# EAGLE board working (EAGLE 9.5.2), part 1 of 4
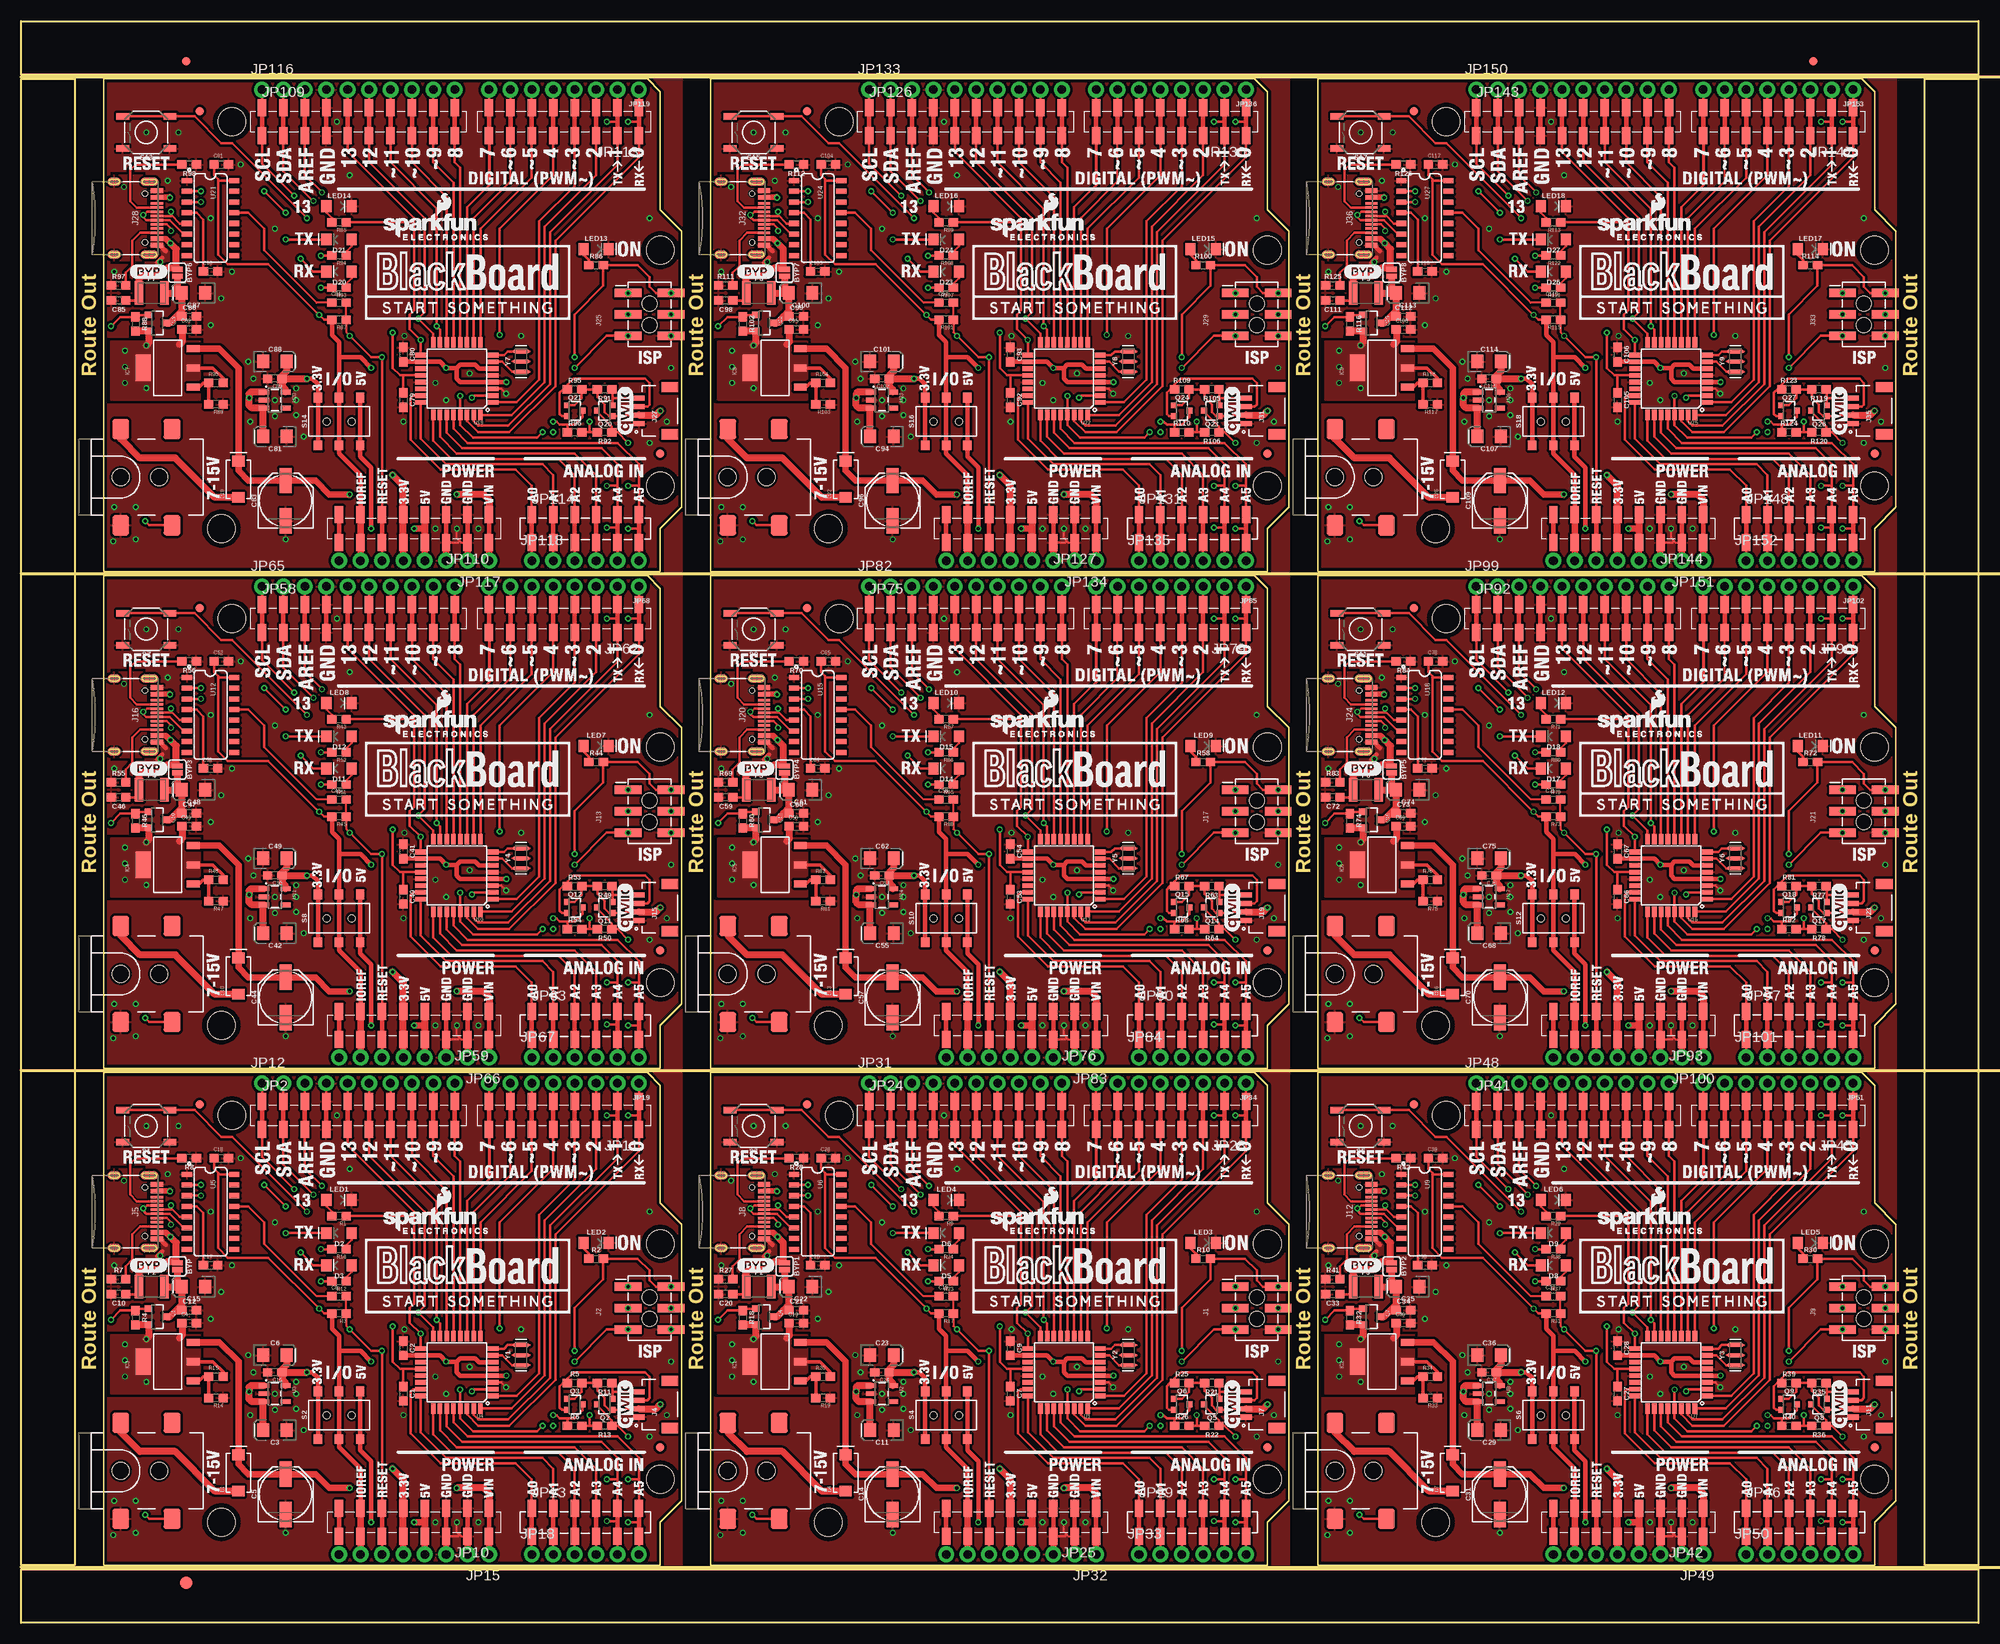
[diagram p0: board, top side]
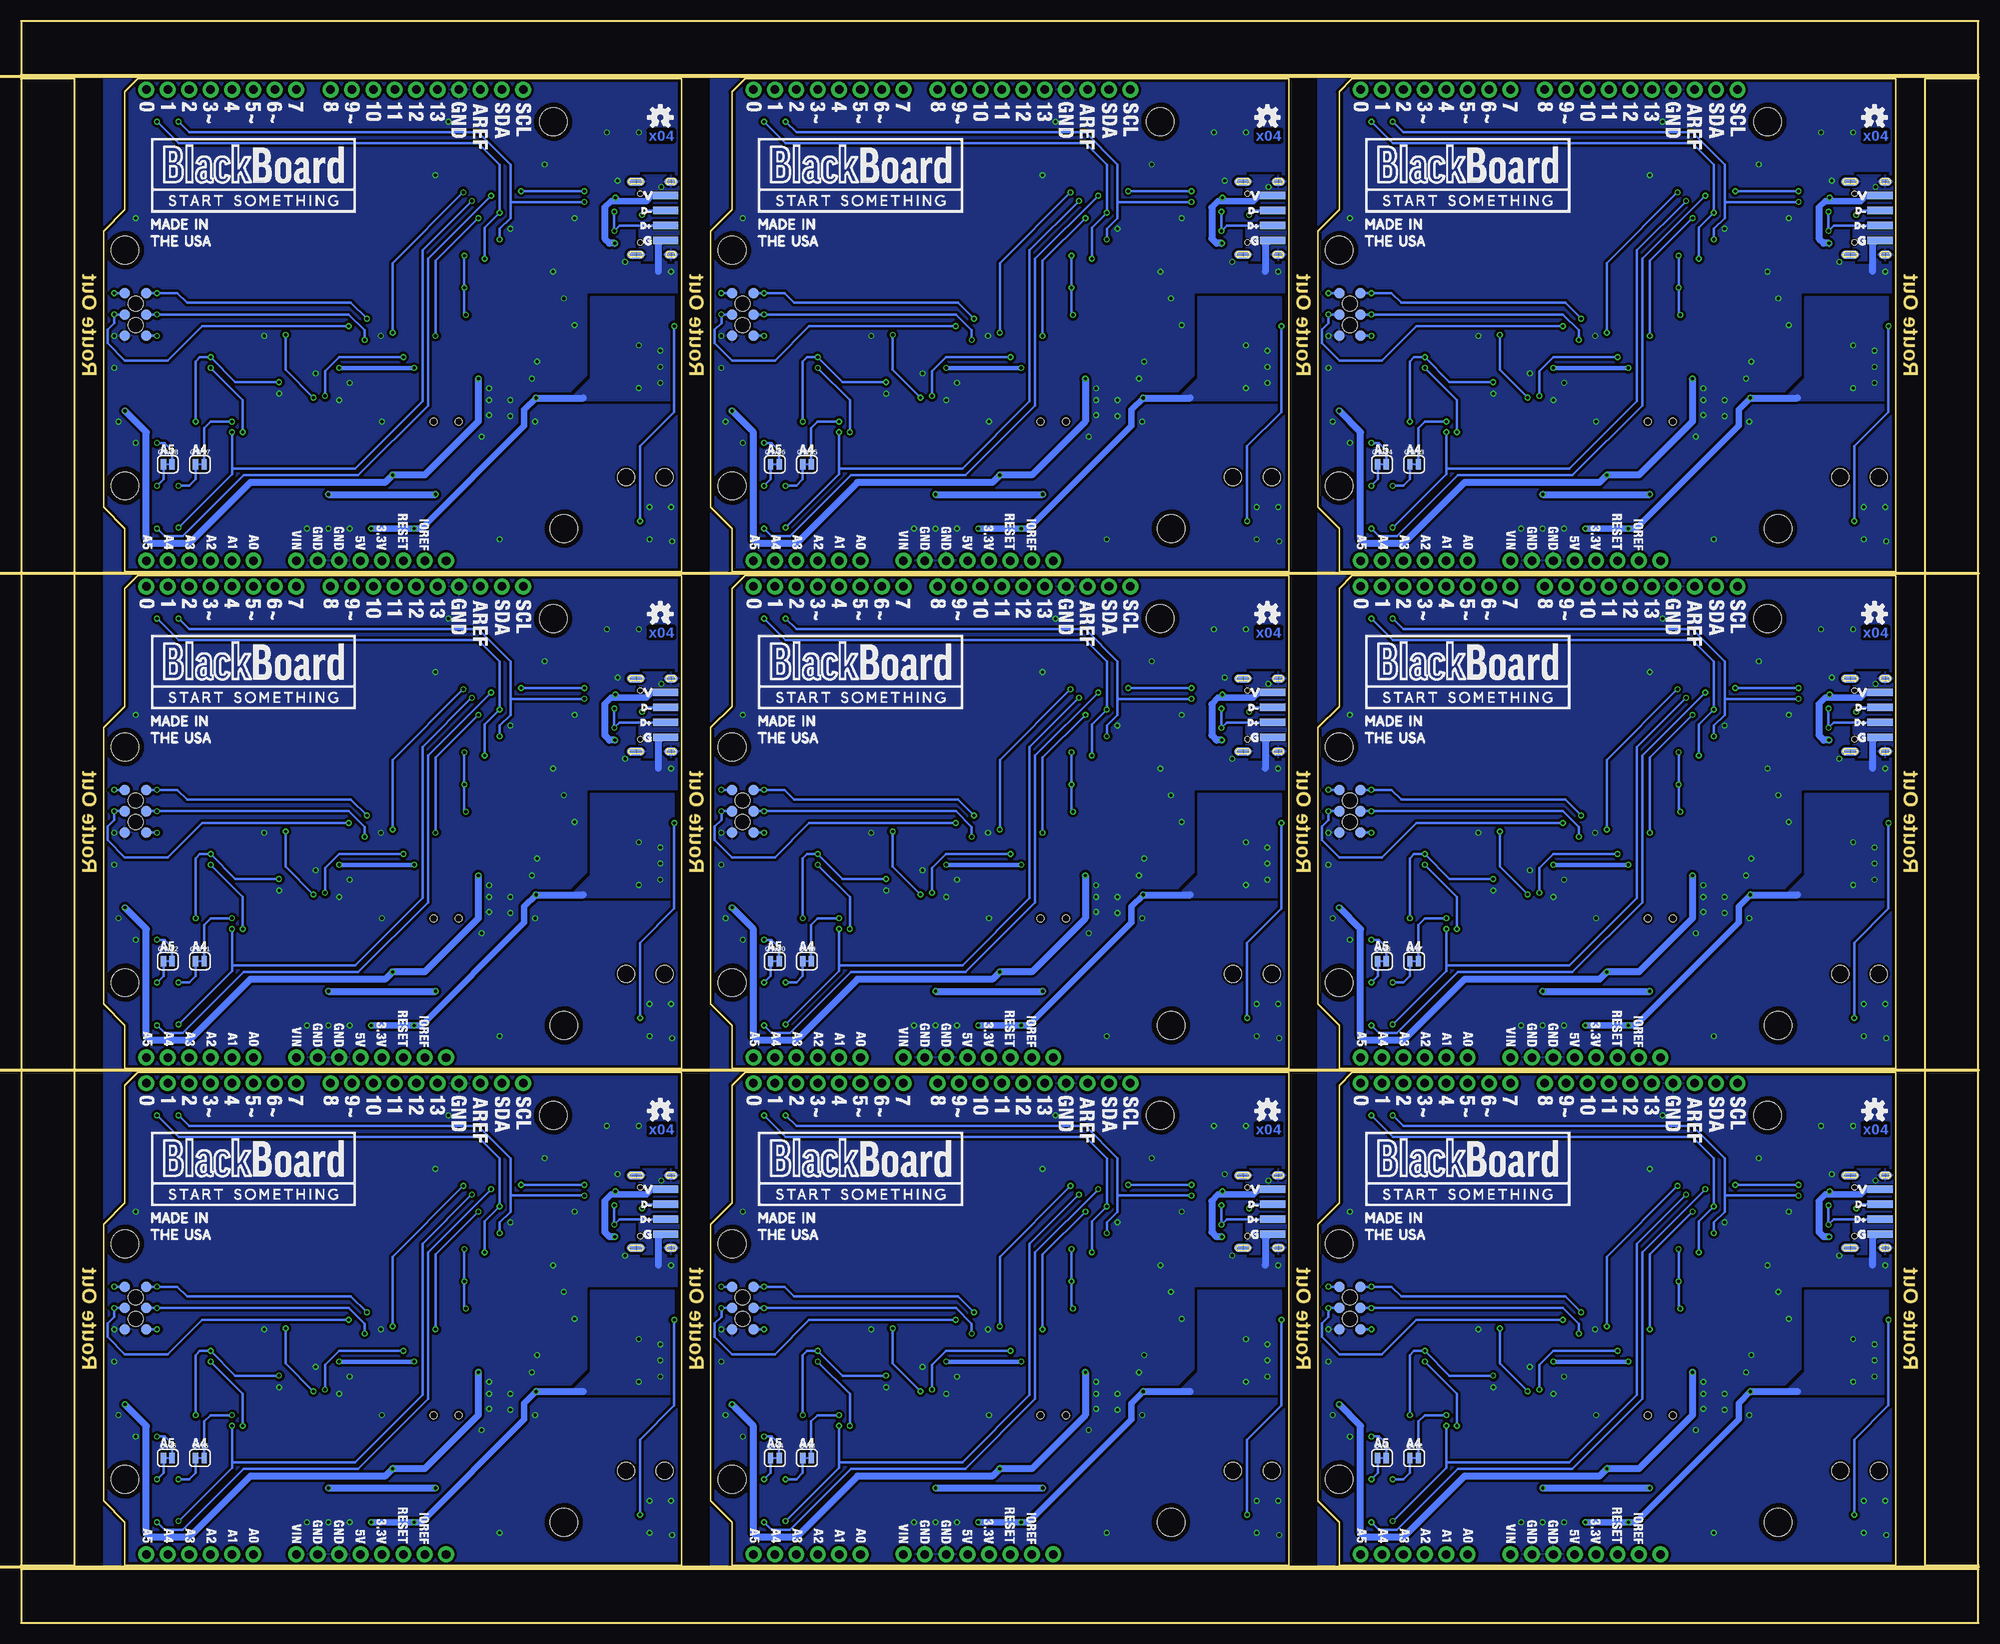
[diagram p1: board, bottom side, seen from below]

Size 232.16 x 189.99 mm. Coordinates in mm from the lower left corner, seen from the top.
Outline: 9.78,65.28 74.3,65.28 75.82,63.75 75.82,49.78 78.36,47.24 78.36,14.48 75.82,11.94 75.82,6.86 9.78,6.86 9.78,65.28
Outline: 81.79,65.28 146.3,65.28 147.83,63.75 147.83,49.78 150.37,47.24 150.37,14.48 147.83,11.94 147.83,6.86 81.79,6.86 81.79,65.28
Outline: 153.8,65.28 218.31,65.28 219.84,63.75 219.84,49.78 222.38,47.24 222.38,14.48 219.84,11.94 219.84,6.86 153.8,6.86 153.8,65.28
Outline: 9.78,124.21 74.3,124.21 75.82,122.68 75.82,108.71 78.36,106.17 78.36,73.41 75.82,70.87 75.82,65.79 9.78,65.79 9.78,124.21
Outline: 81.79,124.21 146.3,124.21 147.83,122.68 147.83,108.71 150.37,106.17 150.37,73.41 147.83,70.87 147.83,65.79 81.79,65.79 81.79,124.21
Outline: 153.8,124.21 218.31,124.21 219.84,122.68 219.84,108.71 222.38,106.17 222.38,73.41 219.84,70.87 219.84,65.79 153.8,65.79 153.8,124.21
Outline: 9.78,183.13 74.3,183.13 75.82,181.61 75.82,167.64 78.36,165.1 78.36,132.33 75.82,129.79 75.82,124.71 9.78,124.71 9.78,183.13
Outline: 81.79,183.13 146.3,183.13 147.83,181.61 147.83,167.64 150.37,165.1 150.37,132.33 147.83,129.79 147.83,124.71 81.79,124.71 81.79,183.13
Outline: 153.8,183.13 218.31,183.13 219.84,181.61 219.84,167.64 222.38,165.1 222.38,132.33 219.84,129.79 219.84,124.71 153.8,124.71 153.8,183.13
Outline: 0,6.35 232.16,6.35 232.16,0 0,0 0,6.35
Outline: 225.81,183.13 232.16,183.13 232.16,6.86 225.81,6.86 225.81,183.13
Outline: 0,189.99 232.16,189.99 232.16,183.64 0,183.64 0,189.99
Outline: 0,183.13 6.35,183.13 6.35,6.86 0,6.86 0,183.13
Copper layers (1*16): Top 0.035mm / dielectric 1.5mm / Bottom 0.035mm
Design rules "SparkFun-2-layer-PCBWay-LIMIT": minimum track width 6mil, minimum drill 0.3mm, track to track 6mil, track to pad 6mil, pad to pad 6mil, via to via 6mil, smd to smd 6mil, copper to edge 6mil, drill to drill 6mil, minimum pad ring 6mil, minimum via ring 6mil, stop-mask expansion 4mil, vias tented up to drill 25mil, thermal gap 10mil
Net classes: 0 default: width 0 mm, drill 0 mm; 1 power: width 0.762 mm
vRestrict: area 10.4,31.8 to 11.8,40; area 15.5,32.5 to 17.1,40; area 57.7,20.2 to 58.3,20.7; area 60.2,20.1 to 60.7,21; area 21.1,38.7 to 22.5,41; area 10,22.4 to 19.2,34.4; area 82.4,31.8 to 83.8,40; area 87.5,32.5 to 89.2,40; area 129.7,20.2 to 130.3,20.7; area 132.2,20.1 to 132.7,21; area 93.1,38.7 to 94.5,41; area 82,22.4 to 91.2,34.4; area 154.4,31.8 to 155.8,40; area 159.5,32.5 to 161.2,40; area 201.7,20.2 to 202.3,20.7; area 204.2,20.1 to 204.7,21; area 165.1,38.7 to 166.5,41; area 154.1,22.4 to 163.2,34.4; area 10.4,90.7 to 11.8,98.9; area 15.5,91.4 to 17.1,98.9; area 57.7,79.1 to 58.3,79.6; area 60.2,79 to 60.7,79.9; area 21.1,97.7 to 22.5,99.9; area 10,81.3 to 19.2,93.3; area 82.4,90.7 to 83.8,98.9; area 87.5,91.4 to 89.2,98.9; area 129.7,79.1 to 130.3,79.6; area 132.2,79 to 132.7,79.9; area 93.1,97.7 to 94.5,99.9; area 82,81.3 to 91.2,93.3; area 154.4,90.7 to 155.8,98.9; area 159.5,91.4 to 161.2,98.9; area 201.7,79.1 to 202.3,79.6; area 204.2,79 to 204.7,79.9; area 165.1,97.7 to 166.5,99.9; area 154.1,81.3 to 163.2,93.3; area 10.4,149.6 to 11.8,157.9; area 15.5,150.4 to 17.1,157.9; area 57.7,138 to 58.3,138.6; area 60.2,137.9 to 60.7,138.8; area 21.1,156.6 to 22.5,158.9; area 10,140.2 to 19.2,152.3; area 82.4,149.6 to 83.8,157.9; area 87.5,150.4 to 89.2,157.9; area 129.7,138 to 130.3,138.6; area 132.2,137.9 to 132.7,138.8; area 93.1,156.6 to 94.5,158.9; area 82,140.2 to 91.2,152.3; area 154.4,149.6 to 155.8,157.9; area 159.5,150.4 to 161.2,157.9; area 201.7,138 to 202.3,138.6; area 204.2,137.9 to 204.7,138.8; area 165.1,156.6 to 166.5,158.9; area 154.1,140.2 to 163.2,152.3
Milling: 4 lines

## Footprints (pad centres in the part's own frame; a part is rotated, then mirrored left to right if it is on the bottom)
SMT-JUMPER_2_NO_SILK = smd 0.635 x 1.27: 1 -0.406,0; 2 0.406,0
0603 = smd 1.1 x 1: 1 -0.85,0; 2 0.85,0
EIA3216 = smd 1.4 x 1.6: + 1.4,0; - -1.4,0
PANASONIC_D = smd 3 x 1.4: + 2.4,0; - -2.4,0
SMA-DIODE = smd 1.27 x 1.47: A -2.15,0; C 2.15,0
LED-1206 = smd 1.2 x 1.4: A -1.5,0; C 1.5,0
LED-1206-HIDDENSILK = smd 1.2 x 1.4: A -1.5,0; C 1.5,0
FIDUCIAL-1X2 = smd 1 x 1: 1 0,0
FIDUCIAL-1.5X3 = smd 1.5 x 1.5: 1 0,0
1210 = smd 1 x 2.8: 1 -1.5,0; 2 1.5,0
SOT223-ALT1 = smd 0.838 x 1.524: 1 -2.271,-3.02; 2 0,-3.02; 3 2.288,-3.02 | smd 3.124 x 1.778: 4 0,2.921
2X3_SMT_POSTS = smd 1 x 3.17: 1 -2.54,-2.54; 2 -2.54,2.54; 3 0,-2.54; 4 0,2.54; 5 2.54,-2.54; 6 2.54,2.54 | hole 1.8: -1.27,0; 1.27,0
POWER_JACK_SMD_OVERPASTE_SUPER_BOMB_DIGITY = smd 2 x 2.4: GND 0,-5.7; P$4 6.1,-5.7; VIN0 0,5.7; VIN1 6.1,5.7 | hole 2.032: 0,0; 4.572,0
JST04_1MM_RA = smd 0.6 x 1.35: 1 -1.5,0; 2 -0.5,0; 3 0.5,0; 4 1.5,0 | smd 1.2 x 2: NC1 2.8,-3.675; NC2 -2.8,-3.675
USB-C-16P = smd 0.3 x 1.45: A5 -1.25,0; A6 -0.25,0; A7 0.25,0; A8 1.25,0; B5 1.75,0; B6 0.75,0; B7 -0.75,0; B8 -1.75,0 | smd 0.6 x 1.45: GND -3.225,0; GND2 3.225,0 | smd 1 x 2.1: SHLD1 -4.32,-0.915; SHLD2 4.32,-0.915 | smd 1 x 2.1 bottom: SHLD3 -4.32,-0.915; SHLD4 4.32,-0.915 | smd 1 x 1.6: SHLD5 -4.32,-5.095; SHLD8 4.32,-5.095 | smd 1 x 1.6 bottom: SHLD6 -4.32,-5.095; SHLD7 4.32,-5.095 | smd 0.55 x 1.45: VBUS1 -2.45,0; VBUS2 2.45,0 | hole 0.65: -2.89,-1.445; 2.89,-1.445
1X10_SMD_COMBINED = smd 1 x 2: 1A 0,1.65; 1B 0,-1.65; 2A 2.54,1.65; 2B 2.54,-1.65; 3A 5.08,1.65; 3B 5.08,-1.65; 4A 7.62,1.65; 4B 7.62,-1.65; 5A 10.16,1.65; 5B 10.16,-1.65; 6A 12.7,1.65; 6B 12.7,-1.65; 7A 15.24,1.65; 7B 15.24,-1.65; 8A 17.78,1.65; 8B 17.78,-1.65; 9A 20.32,1.65; 9B 20.32,-1.65; 10A 22.86,1.65; 10B 22.86,-1.65
STAND-OFF = hole 3.302: 0,0
1X08_SMD_COMBINED@1 = smd 1 x 2: 1A 0,1.65; 1B 0,-1.65; 2A 2.54,-1.65; 2B 2.54,1.65; 3A 5.08,1.65; 3B 5.08,-1.65; 4A 7.62,-1.65; 4B 7.62,1.65; 5A 10.16,1.65; 5B 10.16,-1.65; 6A 12.7,-1.65; 6B 12.7,1.65; 7A 15.24,1.65; 7B 15.24,-1.65; 8A 17.78,-1.65; 8B 17.78,1.65
1X10_NO_SILK = drill 1.016 pad 1.88: 1 0,0; 2 2.54,0; 3 5.08,0; 4 7.62,0; 5 10.16,0; 6 12.7,0; 7 15.24,0; 8 17.78,0; 9 20.32,0; 10 22.86,0
1X06_SMD_STRAIGHT_COMBO = smd 1 x 2: 1A 0,-1.65; 1B 0,1.65; 2A 2.54,1.65; 2B 2.54,-1.65; 3A 5.08,-1.65; 3B 5.08,1.65; 4A 7.62,1.65; 4B 7.62,-1.65; 5A 10.16,-1.65; 5B 10.16,1.65; 6A 12.7,1.65; 6B 12.7,-1.65
USB-SOLDER-PADS = smd 3 x 0.9: D+ 0,-0.889; D- 0,0.889; GND 0,-2.667; VBUS 0,2.667
1X08_NO_SILK@1 = drill 1.016 pad 1.88: 1 0,0; 2 2.54,0; 3 5.08,0; 4 7.62,0; 5 10.16,0; 6 12.7,0; 7 15.24,0; 8 17.78,0
1X06_NO_SILK@1 = drill 1.016 pad 1.88: 1 0,0; 2 2.54,0; 3 5.08,0; 4 7.62,0; 5 10.16,0; 6 12.7,0
1X08_NO_SILK = drill 1.016 pad 1.88: 1 0,0; 2 2.54,0; 3 5.08,0; 4 7.62,0; 5 10.16,0; 6 12.7,0; 7 15.24,0; 8 17.78,0
SOT23-3 = smd 0.8 x 0.9: 1 -0.95,-1; 2 0.95,-1; 3 0,1.1
SOT323 = smd 0.7 x 0.7: 1 -0.65,-0.925; 2 0.65,-0.925; 3 0,0.925
SMT-JUMPER_2_NC_TRACE_SILK = smd 0.635 x 1.27: 1 -0.508,0; 2 0.508,0
TACTILE_SWITCH_SMD_5.2MM = smd 1.524 x 0.762: 1 -2.794,1.905; 2 2.794,1.905; 3 -2.794,-1.905; 4 2.794,-1.905
SWITCH_DPDT_SMD_AYZ0202 = smd 1 x 1.15: 1 -2.5,2.825; 2 0,2.825; 3 2.5,2.825; 4 -2.5,-2.825; 5 0,-2.825; 6 2.5,-2.825 | hole 0.85: 1.5,0; -1.5,0
PAD.03X.05 = smd 1.27 x 1.27: P$1 0,0
TQFP32-08 = smd 1.27 x 0.559: 1 -4.293,2.8; 2 -4.293,2; 3 -4.293,1.2; 4 -4.293,0.4; 5 -4.293,-0.4; 6 -4.293,-1.2; 7 -4.293,-2; 8 -4.293,-2.8; 17 4.293,-2.8; 18 4.293,-2; 19 4.293,-1.2; 20 4.293,-0.4; 21 4.293,0.4; 22 4.293,1.2; 23 4.293,2; 24 4.293,2.8 | smd 0.559 x 1.27: 9 -2.8,-4.293; 10 -2,-4.293; 11 -1.2,-4.293; 12 -0.4,-4.293; 13 0.4,-4.293; 14 1.2,-4.293; 15 2,-4.293; 16 2.8,-4.293; 25 2.8,4.293; 26 2,4.293; 27 1.2,4.293; 28 0.4,4.293; 29 -0.4,4.293; 30 -1.2,4.293; 31 -2,4.293; 32 -2.8,4.293
SOT23-5 = smd 0.55 x 1.2: 1 -0.95,-1.3; 2 0,-1.3; 3 0.95,-1.3; 4 0.95,1.3; 5 -0.95,1.3
SO016 = smd 0.6 x 1.2: 1 -4.445,-2.8; 2 -3.175,-2.8; 3 -1.905,-2.8; 4 -0.635,-2.8; 5 0.635,-2.8; 6 1.905,-2.8; 7 3.175,-2.8; 8 4.445,-2.8; 9 4.445,2.8; 10 3.175,2.8; 11 1.905,2.8; 12 0.635,2.8; 13 -0.635,2.8; 14 -1.905,2.8; 15 -3.175,2.8; 16 -4.445,2.8
RESONATOR-SMD-3.2X1.3 = smd 0.45 x 1.905: 1 -1.2,0; 2 0,0; 3 1.2,0

## Placement (x,y rotation side)
BYP  JUMPER-SMT_2_NO_SILK  [SMT-JUMPER_2_NO_SILK]  18.54,42.29 270 top
BYP1  JUMPER-SMT_2_NO_SILK  [SMT-JUMPER_2_NO_SILK]  90.55,42.29 270 top
BYP2  JUMPER-SMT_2_NO_SILK  [SMT-JUMPER_2_NO_SILK]  162.56,42.29 270 top
BYP3  JUMPER-SMT_2_NO_SILK  [SMT-JUMPER_2_NO_SILK]  18.54,101.22 270 top
BYP4  JUMPER-SMT_2_NO_SILK  [SMT-JUMPER_2_NO_SILK]  90.55,101.22 270 top
BYP5  JUMPER-SMT_2_NO_SILK  [SMT-JUMPER_2_NO_SILK]  162.56,101.22 270 top
BYP6  JUMPER-SMT_2_NO_SILK  [SMT-JUMPER_2_NO_SILK]  18.54,160.15 270 top
BYP7  JUMPER-SMT_2_NO_SILK  [SMT-JUMPER_2_NO_SILK]  90.55,160.15 270 top
BYP8  JUMPER-SMT_2_NO_SILK  [SMT-JUMPER_2_NO_SILK]  162.56,160.15 270 top
C1  0.1uF  [0603]  45.34,27.18 270 top
C2  0.1uF  [0603]  45.34,32.57 270 top
C3  10uF  [EIA3216]  30.1,22.86 180 top
C4  0.1uF  [0603]  19.94,35.56 0 top
C5  47uF  [PANASONIC_D]  31.37,15.24 90 top
C6  10uF  [EIA3216]  30.1,31.75 0 top
C7  0.1uF  [0603]  117.35,27.18 270 top
C8  0.1uF  [0603]  37.72,38.73 0 top
C9  0.1uF  [0603]  117.35,32.57 270 top
C10  0.1uF  [0603]  11.56,38.99 180 top
C11  10uF  [EIA3216]  102.11,22.86 180 top
C12  0.1uF  [0603]  19.94,37.08 0 top
C13  0.1uF  [0603]  91.95,35.56 0 top
C14  47uF  [PANASONIC_D]  103.38,15.24 90 top
C15  10uF  [EIA3216]  20.45,39.88 180 top
C16  1.0uF  [0603]  30.1,29.72 180 top
C17  10nF  [0603]  22.48,42.42 0 top
C18  0.1uF  [0603]  23.75,55.12 0 top
C19  0.1uF  [0603]  109.73,38.73 0 top
C20  0.1uF  [0603]  83.57,38.99 180 top
C21  0.1uF  [0603]  91.95,37.08 0 top
C22  10uF  [EIA3216]  92.46,39.88 180 top
C23  10uF  [EIA3216]  102.11,31.75 0 top
C24  1.0uF  [0603]  102.11,29.72 180 top
C25  10nF  [0603]  94.49,42.42 0 top
C26  0.1uF  [0603]  95.76,55.12 0 top
C27  0.1uF  [0603]  189.36,27.18 270 top
C28  0.1uF  [0603]  189.36,32.57 270 top
C29  10uF  [EIA3216]  174.12,22.86 180 top
C30  0.1uF  [0603]  163.96,35.56 0 top
C31  47uF  [PANASONIC_D]  175.39,15.24 90 top
C32  0.1uF  [0603]  181.74,38.73 0 top
C33  0.1uF  [0603]  155.57,38.99 180 top
C34  0.1uF  [0603]  163.96,37.08 0 top
C35  10uF  [EIA3216]  164.47,39.88 180 top
C36  10uF  [EIA3216]  174.12,31.75 0 top
C37  1.0uF  [0603]  174.12,29.72 180 top
C38  10nF  [0603]  166.5,42.42 0 top
C39  0.1uF  [0603]  167.77,55.12 0 top
C40  0.1uF  [0603]  45.34,86.11 270 top
C41  0.1uF  [0603]  45.34,91.5 270 top
C42  10uF  [EIA3216]  30.1,81.79 180 top
C43  0.1uF  [0603]  19.94,94.49 0 top
C44  47uF  [PANASONIC_D]  31.37,74.17 90 top
C45  0.1uF  [0603]  37.72,97.66 0 top
C46  0.1uF  [0603]  11.56,97.92 180 top
C47  0.1uF  [0603]  19.94,96.01 0 top
C48  10uF  [EIA3216]  20.45,98.81 180 top
C49  10uF  [EIA3216]  30.1,90.68 0 top
C50  1.0uF  [0603]  30.1,88.65 180 top
C51  10nF  [0603]  22.48,101.35 0 top
C52  0.1uF  [0603]  23.75,114.05 0 top
C53  0.1uF  [0603]  117.35,86.11 270 top
C54  0.1uF  [0603]  117.35,91.5 270 top
C55  10uF  [EIA3216]  102.11,81.79 180 top
C56  0.1uF  [0603]  91.95,94.49 0 top
C57  47uF  [PANASONIC_D]  103.38,74.17 90 top
C58  0.1uF  [0603]  109.73,97.66 0 top
C59  0.1uF  [0603]  83.57,97.92 180 top
C60  0.1uF  [0603]  91.95,96.01 0 top
C61  10uF  [EIA3216]  92.46,98.81 180 top
C62  10uF  [EIA3216]  102.11,90.68 0 top
C63  1.0uF  [0603]  102.11,88.65 180 top
C64  10nF  [0603]  94.49,101.35 0 top
C65  0.1uF  [0603]  95.76,114.05 0 top
C66  0.1uF  [0603]  189.36,86.11 270 top
C67  0.1uF  [0603]  189.36,91.5 270 top
C68  10uF  [EIA3216]  174.12,81.79 180 top
C69  0.1uF  [0603]  163.96,94.49 0 top
C70  47uF  [PANASONIC_D]  175.39,74.17 90 top
C71  0.1uF  [0603]  181.74,97.66 0 top
C72  0.1uF  [0603]  155.57,97.92 180 top
C73  0.1uF  [0603]  163.96,96.01 0 top
C74  10uF  [EIA3216]  164.47,98.81 180 top
C75  10uF  [EIA3216]  174.12,90.68 0 top
C76  1.0uF  [0603]  174.12,88.65 180 top
C77  10nF  [0603]  166.5,101.35 0 top
C78  0.1uF  [0603]  167.77,114.05 0 top
C79  0.1uF  [0603]  45.34,145.03 270 top
C80  0.1uF  [0603]  45.34,150.42 270 top
C81  10uF  [EIA3216]  30.1,140.72 180 top
C82  0.1uF  [0603]  19.94,153.42 0 top
C83  47uF  [PANASONIC_D]  31.37,133.1 90 top
C84  0.1uF  [0603]  37.72,156.59 0 top
C85  0.1uF  [0603]  11.56,156.84 180 top
C86  0.1uF  [0603]  19.94,154.94 0 top
C87  10uF  [EIA3216]  20.45,157.73 180 top
C88  10uF  [EIA3216]  30.1,149.61 0 top
C89  1.0uF  [0603]  30.1,147.57 180 top
C90  10nF  [0603]  22.48,160.27 0 top
C91  0.1uF  [0603]  23.75,172.97 0 top
C92  0.1uF  [0603]  117.35,145.03 270 top
C93  0.1uF  [0603]  117.35,150.42 270 top
C94  10uF  [EIA3216]  102.11,140.72 180 top
C95  0.1uF  [0603]  91.95,153.42 0 top
C96  47uF  [PANASONIC_D]  103.38,133.1 90 top
C97  0.1uF  [0603]  109.73,156.59 0 top
C98  0.1uF  [0603]  83.57,156.84 180 top
C99  0.1uF  [0603]  91.95,154.94 0 top
C100  10uF  [EIA3216]  92.46,157.73 180 top
C101  10uF  [EIA3216]  102.11,149.61 0 top
C102  1.0uF  [0603]  102.11,147.57 180 top
C103  10nF  [0603]  94.49,160.27 0 top
C104  0.1uF  [0603]  95.76,172.97 0 top
C105  0.1uF  [0603]  189.36,145.03 270 top
C106  0.1uF  [0603]  189.36,150.42 270 top
C107  10uF  [EIA3216]  174.12,140.72 180 top
C108  0.1uF  [0603]  163.96,153.42 0 top
C109  47uF  [PANASONIC_D]  175.39,133.1 90 top
C110  0.1uF  [0603]  181.74,156.59 0 top
C111  0.1uF  [0603]  155.57,156.84 180 top
C112  0.1uF  [0603]  163.96,154.94 0 top
C113  10uF  [EIA3216]  164.47,157.73 180 top
C114  10uF  [EIA3216]  174.12,149.61 0 top
C115  1.0uF  [0603]  174.12,147.57 180 top
C116  10nF  [0603]  166.5,160.27 0 top
C117  0.1uF  [0603]  167.77,172.97 0 top
D1  1A/40V/500mV  [SMA-DIODE]  25.78,17.78 90 top
D2  GREEN  [LED-1206]  37.72,46.23 180 top
D3  YELLOW  [LED-1206-HIDDENSILK]  37.72,42.42 180 top
D4  1A/40V/500mV  [SMA-DIODE]  97.79,17.78 90 top
D5  YELLOW  [LED-1206-HIDDENSILK]  109.73,42.42 180 top
D6  GREEN  [LED-1206]  109.73,46.23 180 top
D7  1A/40V/500mV  [SMA-DIODE]  169.8,17.78 90 top
D8  YELLOW  [LED-1206-HIDDENSILK]  181.74,42.42 180 top
D9  GREEN  [LED-1206]  181.74,46.23 180 top
D10  1A/40V/500mV  [SMA-DIODE]  25.78,76.71 90 top
D11  YELLOW  [LED-1206-HIDDENSILK]  37.72,101.35 180 top
D12  GREEN  [LED-1206]  37.72,105.16 180 top
D13  1A/40V/500mV  [SMA-DIODE]  97.79,76.71 90 top
D14  YELLOW  [LED-1206-HIDDENSILK]  109.73,101.35 180 top
D15  GREEN  [LED-1206]  109.73,105.16 180 top
D16  1A/40V/500mV  [SMA-DIODE]  169.8,76.71 90 top
D17  YELLOW  [LED-1206-HIDDENSILK]  181.74,101.35 180 top
D18  GREEN  [LED-1206]  181.74,105.16 180 top
D19  1A/40V/500mV  [SMA-DIODE]  25.78,135.64 90 top
D20  YELLOW  [LED-1206-HIDDENSILK]  37.72,160.27 180 top
D21  GREEN  [LED-1206]  37.72,164.08 180 top
D22  1A/40V/500mV  [SMA-DIODE]  97.79,135.64 90 top
D23  YELLOW  [LED-1206-HIDDENSILK]  109.73,160.27 180 top
D24  GREEN  [LED-1206]  109.73,164.08 180 top
D25  1A/40V/500mV  [SMA-DIODE]  169.8,135.64 90 top
D26  YELLOW  [LED-1206-HIDDENSILK]  181.74,160.27 180 top
D27  GREEN  [LED-1206]  181.74,164.08 180 top
E$1  [FIDUCIAL-1X2]  19.56,185.23 0 top
E$2  [FIDUCIAL-1X2]  212.6,185.23 0 top
E$3  [FIDUCIAL-1.5X3]  19.56,4.76 0 top
F1  6V/2A  [1210]  87.5,39.88 0 top
F2  6V/2A  [1210]  15.49,39.88 0 top
F3  6V/2A  [1210]  159.51,39.88 0 top
F4  6V/2A  [1210]  15.49,98.81 0 top
F5  6V/2A  [1210]  87.5,98.81 0 top
F6  6V/2A  [1210]  159.51,98.81 0 top
F7  6V/2A  [1210]  15.49,157.73 0 top
F8  6V/2A  [1210]  87.5,157.73 0 top
F9  6V/2A  [1210]  159.51,157.73 0 top
IC1  LM1117  [SOT223-ALT1]  89.41,30.99 90 top
IC2  LM1117  [SOT223-ALT1]  161.42,30.99 90 top
IC3  LM1117  [SOT223-ALT1]  17.4,30.99 90 top
IC4  LM1117  [SOT223-ALT1]  17.4,89.92 90 top
IC5  LM1117  [SOT223-ALT1]  89.41,89.92 90 top
IC6  LM1117  [SOT223-ALT1]  161.42,89.92 90 top
IC7  LM1117  [SOT223-ALT1]  17.4,148.84 90 top
IC8  LM1117  [SOT223-ALT1]  89.41,148.84 90 top
IC9  LM1117  [SOT223-ALT1]  161.42,148.84 90 top
J1  ISP  [2X3_SMT_POSTS]  146.56,37.34 270 top
J2  ISP  [2X3_SMT_POSTS]  74.55,37.34 270 top
J3  POWER_JACKSUPER_BOMB_DIGITY  [POWER_JACK_SMD_OVERPASTE_SUPER_BOMB_DIGITY]  11.81,18.03 0 top
J4  QWIIC_RIGHT_ANGLE  [JST04_1MM_RA]  73.28,25.91 90 top
J5  USB C  [USB-C-16P]  16.13,48.77 270 top
J6  POWER_JACKSUPER_BOMB_DIGITY  [POWER_JACK_SMD_OVERPASTE_SUPER_BOMB_DIGITY]  83.82,18.03 0 top
J7  QWIIC_RIGHT_ANGLE  [JST04_1MM_RA]  145.29,25.91 90 top
J8  USB C  [USB-C-16P]  88.14,48.77 270 top
J9  ISP  [2X3_SMT_POSTS]  218.57,37.34 270 top
J10  POWER_JACKSUPER_BOMB_DIGITY  [POWER_JACK_SMD_OVERPASTE_SUPER_BOMB_DIGITY]  155.83,18.03 0 top
J11  QWIIC_RIGHT_ANGLE  [JST04_1MM_RA]  217.3,25.91 90 top
J12  USB C  [USB-C-16P]  160.15,48.77 270 top
J13  ISP  [2X3_SMT_POSTS]  74.55,96.27 270 top
J14  POWER_JACKSUPER_BOMB_DIGITY  [POWER_JACK_SMD_OVERPASTE_SUPER_BOMB_DIGITY]  11.81,76.96 0 top
J15  QWIIC_RIGHT_ANGLE  [JST04_1MM_RA]  73.28,84.84 90 top
J16  USB C  [USB-C-16P]  16.13,107.7 270 top
J17  ISP  [2X3_SMT_POSTS]  146.56,96.27 270 top
J18  POWER_JACKSUPER_BOMB_DIGITY  [POWER_JACK_SMD_OVERPASTE_SUPER_BOMB_DIGITY]  83.82,76.96 0 top
J19  QWIIC_RIGHT_ANGLE  [JST04_1MM_RA]  145.29,84.84 90 top
J20  USB C  [USB-C-16P]  88.14,107.7 270 top
J21  ISP  [2X3_SMT_POSTS]  218.57,96.27 270 top
J22  POWER_JACKSUPER_BOMB_DIGITY  [POWER_JACK_SMD_OVERPASTE_SUPER_BOMB_DIGITY]  155.83,76.96 0 top
J23  QWIIC_RIGHT_ANGLE  [JST04_1MM_RA]  217.3,84.84 90 top
J24  USB C  [USB-C-16P]  160.15,107.7 270 top
J25  ISP  [2X3_SMT_POSTS]  74.55,155.19 270 top
J26  POWER_JACKSUPER_BOMB_DIGITY  [POWER_JACK_SMD_OVERPASTE_SUPER_BOMB_DIGITY]  11.81,135.89 0 top
J27  QWIIC_RIGHT_ANGLE  [JST04_1MM_RA]  73.28,143.76 90 top
J28  USB C  [USB-C-16P]  16.13,166.62 270 top
J29  ISP  [2X3_SMT_POSTS]  146.56,155.19 270 top
J30  POWER_JACKSUPER_BOMB_DIGITY  [POWER_JACK_SMD_OVERPASTE_SUPER_BOMB_DIGITY]  83.82,135.89 0 top
J31  QWIIC_RIGHT_ANGLE  [JST04_1MM_RA]  145.29,143.76 90 top
J32  USB C  [USB-C-16P]  88.14,166.62 270 top
J33  ISP  [2X3_SMT_POSTS]  218.57,155.19 270 top
J34  POWER_JACKSUPER_BOMB_DIGITY  [POWER_JACK_SMD_OVERPASTE_SUPER_BOMB_DIGITY]  155.83,135.89 0 top
J35  QWIIC_RIGHT_ANGLE  [JST04_1MM_RA]  217.3,143.76 90 top
J36  USB C  [USB-C-16P]  160.15,166.62 270 top
JP1  SFE_LOGO_NAME.1_INCH  [SFE_LOGO_NAME_.1]  48.51,47.88 0 top
JP2  M10SMD_COMBO  [1X10_SMD_COMBINED]  28.57,60.2 0 top
JP3  STAND-OFF  [STAND-OFF]  23.75,11.94 0 top
JP4  STAND-OFF  [STAND-OFF]  75.82,17.02 0 top
JP5  STAND-OFF  [STAND-OFF]  75.82,44.96 0 top
JP6  STAND-OFF  [STAND-OFF]  25.02,60.2 0 top
JP7  SFE_LOGO_FLAME.1_INCH  [SFE_LOGO_FLAME_.1]  50.17,50.42 0 top
JP8  FIDUCIAL1X2  [FIDUCIAL-1X2]  75.82,20.83 0 top
JP9  FIDUCIAL1X2  [FIDUCIAL-1X2]  21.21,61.47 0 top
JP10  [1X08_SMD_COMBINED@1]  55.5,11.94 180 top
JP11  JP11  [1X08_SMD_COMBINED@1]  73.28,60.2 180 top
JP12  M10NO_SILK  [1X10_NO_SILK]  28.57,64.01 0 top
JP13  [1X06_SMD_STRAIGHT_COMBO]  60.58,11.94 0 top
JP14  USB_SOLDER_PADS  [USB-SOLDER-PADS]  11.68,48.77 0 bottom
JP15  [1X08_NO_SILK@1]  55.5,8.13 180 top
JP16  STAND-OFF  [STAND-OFF]  95.76,11.94 0 top
JP17  STAND-OFF  [STAND-OFF]  147.83,17.02 0 top
JP18  [1X06_NO_SILK@1]  60.58,8.13 0 top
JP19  [1X08_NO_SILK]  73.28,64.01 180 top
JP20  STAND-OFF  [STAND-OFF]  147.83,44.96 0 top
JP21  STAND-OFF  [STAND-OFF]  97.03,60.2 0 top
JP22  FIDUCIAL1X2  [FIDUCIAL-1X2]  147.83,20.83 0 top
JP23  FIDUCIAL1X2  [FIDUCIAL-1X2]  93.22,61.47 0 top
JP24  M10SMD_COMBO  [1X10_SMD_COMBINED]  100.58,60.2 0 top
JP25  [1X08_SMD_COMBINED@1]  127.51,11.94 180 top
JP26  SFE_LOGO_NAME.1_INCH  [SFE_LOGO_NAME_.1]  120.52,47.88 0 top
JP27  SFE_LOGO_FLAME.1_INCH  [SFE_LOGO_FLAME_.1]  122.17,50.42 0 top
JP28  JP11  [1X08_SMD_COMBINED@1]  145.29,60.2 180 top
JP29  [1X06_SMD_STRAIGHT_COMBO]  132.59,11.94 0 top
JP30  USB_SOLDER_PADS  [USB-SOLDER-PADS]  83.69,48.77 0 bottom